# Altium PCB GenPulseBox.PcbDoc (part 2 of 3)
Units mm, origin at the board's own origin, x right, y up, seen from the top; angles counter-clockwise.
Board outline 140 x 74.6 mm, 4 copper layers (Top Layer, Mid-Layer 1, Mid-Layer 2, Bottom Layer), stack 1.572 mm thick; 214 components, 189 nets, 883 pads, 234 vias.
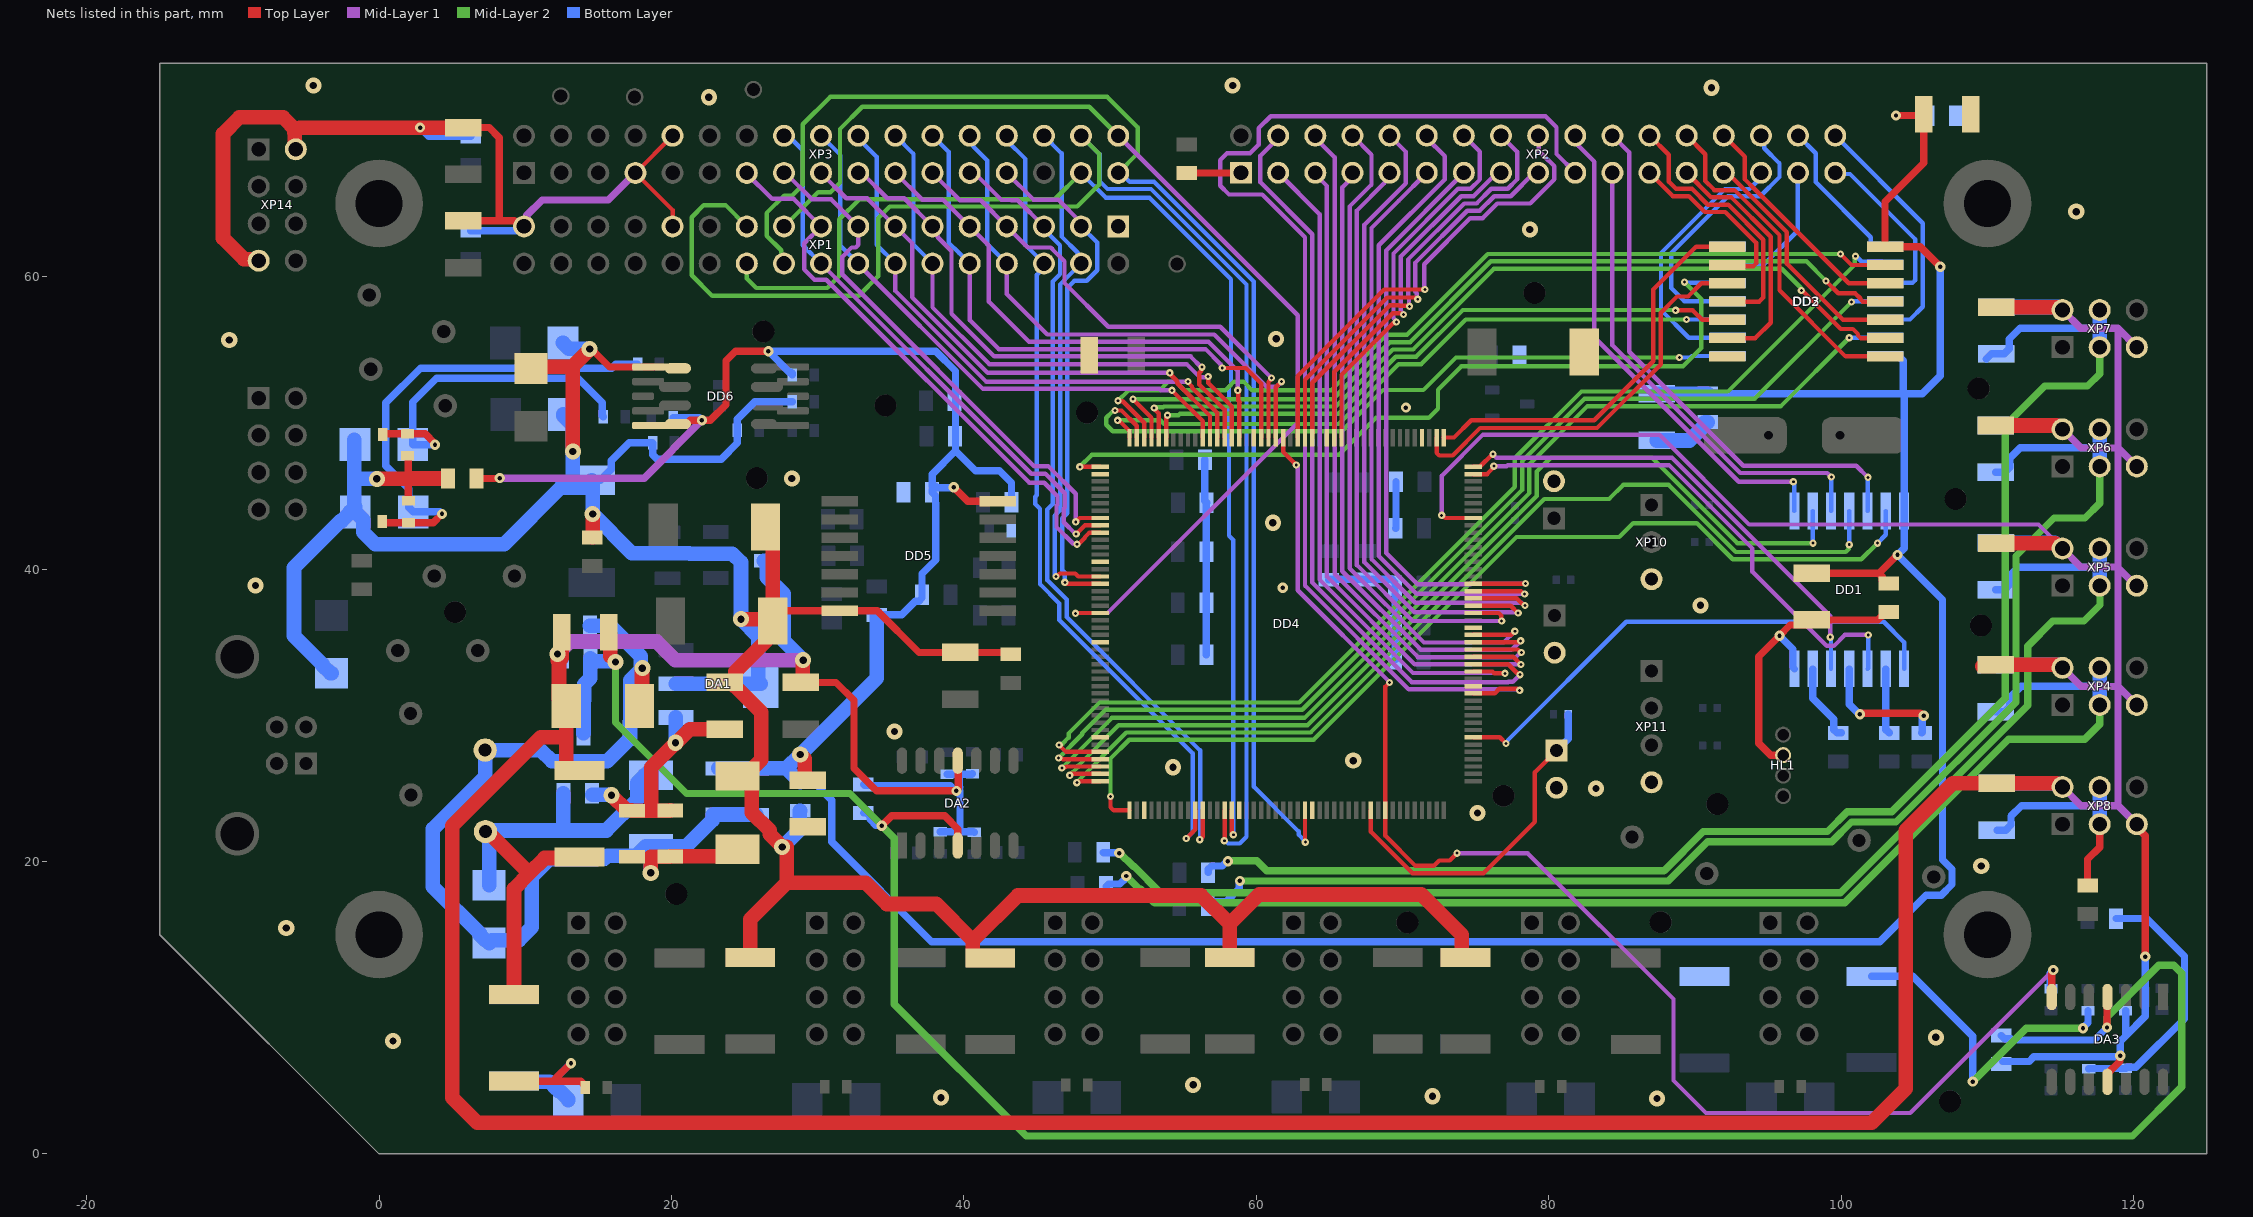
[diagram p4: the nets of this part, all layers, seen from the top]

## Via types
v1: diameter 0.5, hole 0.2, Top Layer to Bottom Layer, tented both sides, 100 vias
v2: diameter 0.7, hole 0.3, Top Layer to Bottom Layer, tented both sides, 83 vias
v3: diameter 1.1, hole 0.5, Top Layer to Bottom Layer, tented both sides, 51 vias

## Nets (pads, with @x,y where several pads share a name; then routed paths per layer and width w, separated by ;. In a path a pad name is that pad's centre, name@x,y a point inside that pad or via, vN(x,y) a via of type N, cw(c..) or ccw(c..) an arc to the next point about the centre after c; other vN are vias at no path point) (continued)
+5V_A: C36.2 C38.2 C60.2 C61.2 DA2.4 DA3.4 L4.2 R14.2 | length 173.6
  Top Layer w0.5: v2(34.375,22.45) 35.05,23.125 38.675,23.125 39.575,22.225 DA2.4@39.575,21.096 ; v2(118.175,8.65) 118.175,10.705 DA3.4@118.205,10.735
  Top Layer w1: C36.2@15.7,35.675 15.8,35.575 v3@15.8,34.039
  Mid-Layer 2 w0.5: v3(16.168,33.643) 16.168,29.506 21.025,24.65 32.2,24.65 v2@34.388,22.463 ; v2(34.375,22.45) 35.225,21.6 35.225,10.25 44.25,1.225 119.925,1.225 123.3,4.6 123.3,12.35 122.75,12.9 121.725,12.9 118.175,9.35 v2(118.175,8.65)
  Bottom Layer w0.5: C60.2@33.125,23.321 33.35,23.321 33.575,23.096 33.575,22.871 33.957,22.488 34.337,22.488 v2(34.375,22.45) ; C61.2@110.95,8.1 111.175,7.875 111.618,7.875 111.693,7.8 117.325,7.8 v2(118.175,8.65)
  Bottom Layer w1: L4.2@13.975,28.796 13.975,31 14.025,31.05 R14.2@14.025,31.4 14.025,32.125 14.45,32.55 C38.2@14.45,33.725 ; C38.2@14.45,33.9 C38.2@14.45,33.725 ; v3(16.168,33.643) 16.141,33.643 16.085,33.7 14.475,33.7 C38.2@14.45,33.725
+5V_D: C7.2 C8.1 C12.2 C24.2 C25.2 C26.1 C33.2 C34.1 C58.2 C59.2 DD1.14 DD2.14 DD3.14 DD5.14 DD6.8 L2.2 R4.2 R18.1 R22.2 R23.2 R24.2 R25.2 R26.2 R34.1 | length 277.8
  Top Layer w0.5: C58.2@6.65,46.2 8.225,46.2 v2(8.25,46.225) ; DD6.8@18.8,49.825 20.925,49.825 21.275,50.175 v2(22.075,50.175) 22.65,50.175 23.725,51.25 23.725,54.25 24.375,54.9 v2(26.625,54.9) ; v2(39.3,45.6) 39.309,45.6 40.259,44.65 DD5.14@42.3,44.65 ; C7.2@97.975,39.725 102.673,39.725 ; C8.1@103.25,39.025 103.025,39.025 102.8,39.25 102.8,39.475 102.673,39.602 102.673,39.798 v2(103.85,40.975) ; v2(103.75,71.025) 105.575,71.025 C25.2@105.65,71.1 105.65,67.775 103,65.125 DD2.14@103,62.05 105.4,62.05 v2(106.775,60.675)
  Top Layer w1: v3(28.804,27.321) 28.804,27.296 28.829,27.296 29.107,27.018 29.107,25.675 29.207,25.575 C12.2@29.325,25.575 29.4,25.575 C12.2@29.5,25.675
  Mid-Layer 1 w0.5: v2(8.25,46.225) 18.125,46.225 v2(22.075,50.175)
  Bottom Layer w0.5: R18.1@20.116,50.35 21.9,50.35 v2(22.075,50.175) ; R34.1@28.246,53.275 28.246,53.4 28.171,53.475 28.046,53.475 26.625,54.896 v2(26.625,54.9) 38.075,54.9 39.422,53.553 39.422,48.097 ; C24.2@28.8,25.425 28.955,25.27 29.88,25.27 30.95,24.2 30.95,21.35 37.775,14.525 102.625,14.525 105.8,17.7 106.843,17.7 107.575,18.432 107.575,19.468 106.925,20.118 106.925,37.9 v2(103.85,40.975) 104.3,41.425 DD1.14@104.3,43.975 104.3,51.875 104.175,52 ; R23.2@34.025,36.875 35.75,36.875 36.675,37.8 36.9,37.8 37.125,38.025 37.125,39.675 38.075,40.625 38.075,44.507 38.05,44.532 38.05,45.025 C59.2@37.825,45.25 ; C59.2@37.825,45.437 38.05,45.662 38.05,45.562 39.262,45.562 v2(39.3,45.6) ; C59.2@37.825,45.662 37.825,46.5 39.422,48.097 ; R25.2@43.25,44.575 43.25,45.9 42.425,46.725 40.794,46.725 39.422,48.097 ; C34.1@90.875,52 104.175,52 ; DD3.14@103.025,54.575 103.925,54.575 104.25,54.25 104.25,52 ; v2(103.75,71.025) C26.1@105.9,71.025 ; v2(106.775,60.675) 106.775,53.225 105.55,52 104.175,52
  Bottom Layer w1: R4.2@23.2,26.371 27.854,26.371 ; C24.2@28.8,25.425 27.854,26.371 ; R23.2@34.025,36.875 34.025,32.541 v3(28.804,27.321) 27.854,26.371 ; C33.2@87.375,52 C34.1@90.875,52
+5V_I: C5.2 C6.2 C9.2 C10.2 C30.2 C32.2 FU4.1 L1.1 L2.1 L4.1 R3.1 R4.1 R14.1 VD3.KA2 | length 73.6
  Top Layer w1: C30.2@17.8,30.65 17.981,30.831 17.981,33.206 v3(18.001,33.226) ; v3(18.575,19.225) 18.585,19.235 18.585,20.325 19.875,20.325 R3.1@19.9,20.35 24.009,20.35 C5.2@24.504,20.846
  Bottom Layer w1: C32.2@14.425,36.125 15.825,36.125 17.9,34.05 v3@17.9,33.125 ; v3(18.001,33.226) 17.175,32.4 R14.1@17.175,31.4 17.175,28.421 15.604,26.85 11.825,26.85 11.05,27.625 FU4.1@7.25,27.625 7.25,25.8 3.675,22.225 3.675,18.275 6.9,15.05 6.9,14.975 7.25,14.625 7.325,14.625 VD3.KA2@7.525,14.425 7.714,14.614 9.564,14.614 10.45,15.5 10.45,18.95 11.675,20.175 C10.2@12.675,20.175 C9.2@14.879,20.175 14.904,20.2 15.407,20.2 15.607,20.4 17.01,20.4 17.596,20.4 C6.2@18.226,21.031 ; v3(18.575,19.225) 18.585,19.235 18.585,20.672 C6.2@18.226,21.031 ; L2.1@25.804,23.196 25.779,23.221 R4.1@23.2,23.221 22.85,23.221 22.825,23.196 22.825,22.846 21.01,21.031 C6.2@18.226,21.031
BOOT0: DD4.166 R7.1 XP12.1 | length 23.6
  Top Layer w0.3: DD4.166@67.825,23.5 67.825,22.05 70.675,19.2 75.532,19.2 79.05,22.718 79.05,26.103 XP12.1@80.535,27.588
  Bottom Layer w0.5: XP12.1@80.535,27.588 81.325,28.378 R7.1@81.325,30.075
BTN_CALIBR_TP: DD4.13 XP2.19 | length 82.7
  Top Layer w0.3: DD4.13@74.825,31.5 76.301,31.5 76.615,31.814 77.845,31.814 77.953,31.706 v1(78.007,31.706)
  Mid-Layer 1 w0.3: v1(78.007,31.706) 77.969,31.744 77.829,31.744 77.785,31.788 77.428,31.788 77.416,31.776 70.424,31.776 63.325,38.875 63.325,62.7 60.4,65.625 58.125,65.625 57.524,66.226 57.524,67.974 57.987,68.437 59.562,68.437 60.163,69.038 60.163,70.163 60.975,70.975 79.775,70.975 80.525,70.225 80.525,68.395 XP2.19@81.81,67.11
BTN_CH1(1)_ON: DD4.26 XP2.11 | length 43.5
  Top Layer w0.3: DD4.26@74.825,38 77.8,38 78.182,37.618 78.217,37.618 78.317,37.518 v1(78.371,37.518)
  Mid-Layer 1 w0.3: XP2.11@71.65,67.11 69.727,65.187 67.875,63.335 67.875,40.689 70.86,37.704 78.131,37.704 78.317,37.518 v1(78.371,37.518)
BTN_CH1(1)_REV: DD4.27 XP2.12 | length 45.8
  Top Layer w0.3: DD4.27@74.825,38.5 78.094,38.5 78.291,38.304 v1(78.345,38.304)
  Mid-Layer 1 w0.3: XP2.12@71.65,69.65 71.65,69.475 72.875,68.25 72.875,66.65 68.375,62.15 68.375,40.896 70.967,38.304 v1(78.345,38.304)
BTN_CH1(2)_ON: DD4.28 XP2.13 | length 42.2
  Top Layer w0.3: DD4.28@74.825,39 78.384,39 v1(78.4,39.016)
  Mid-Layer 1 w0.3: XP2.13@74.19,67.11 68.875,61.795 68.875,41.103 71.003,38.975 74.654,38.975 74.695,39.016 v1(78.4,39.016)
BTN_CH1(2)_REV: DD4.59 XP2.14 | length 25.8
  Top Layer w0.3: DD4.59@65.825,49 65.825,53.3 69.341,56.816 69.429,56.816 69.521,56.907 v1(69.575,56.907)
  Mid-Layer 1 w0.3: v1(69.575,56.907) 69.575,56.962 69.375,57.161 69.375,61.588 73.797,66.01 74.646,66.01 75.29,66.654 75.29,68.55 XP2.14@74.19,69.65
BTN_CH2(1)_ON: DD4.60 XP2.15 | length 24.2
  Top Layer w0.3: DD4.60@65.325,49 65.325,53.507 69.325,57.507 69.823,57.507 69.883,57.448 70.024,57.448 v1(70.063,57.409)
  Mid-Layer 1 w0.3: v1(70.063,57.409) 70.063,57.463 69.875,57.651 69.875,61.381 74.004,65.51 74.853,65.51 76.453,67.11 XP2.15@76.73,67.11
BTN_CH2(1)_REV: DD4.63 XP2.16 | length 29
  Top Layer w0.3: DD4.63@63.825,49 63.825,52.75 69.115,58.04 69.735,58.04 69.766,58.009 70.441,58.009 v1(70.475,57.975)
  Mid-Layer 1 w0.3: v1(70.475,57.975) 70.437,58.013 70.437,58.515 70.375,58.576 70.375,61.174 74.211,65.01 75.06,65.01 76.06,66.01 77.186,66.01 77.83,66.654 77.83,68.55 XP2.16@76.73,69.65
BTN_CH2(2)_ON: DD4.64 XP2.17 | length 27.6
  Top Layer w0.3: DD4.64@63.325,49 63.325,52.957 68.943,58.575 70.865,58.575 70.983,58.458 v1(71.037,58.458)
  Mid-Layer 1 w0.3: v1(71.037,58.458) 71.037,58.512 70.975,58.573 70.975,58.879 70.875,58.979 70.875,60.967 74.418,64.51 75.267,64.51 76.267,65.51 77.393,65.51 78.993,67.11 XP2.17@79.27,67.11
BTN_CH2(2)_REV: DD4.65 XP2.18 | length 31.9
  Top Layer w0.3: DD4.65@62.825,49 62.825,53.205 68.745,59.125 v1(71.525,59.125)
  Mid-Layer 1 w0.3: v1(71.525,59.125) 71.487,59.163 71.487,59.305 71.475,59.316 71.475,60.859 74.626,64.01 75.474,64.01 76.474,65.01 78.726,65.01 80.37,66.654 80.37,67.566 79.726,68.21 79.715,68.21 79.299,68.626 79.299,69.621 XP2.18@79.27,69.65
BTN_PAGE_DOWN: DD4.25 XP2.10 | length 46.1
  Top Layer w0.3: DD4.25@74.825,37.5 77.4,37.5 v1(77.9,37)
  Mid-Layer 1 w0.3: XP2.10@69.11,69.65 70.225,68.535 70.225,66.392 67.375,63.542 67.375,40.482 70.807,37.05 77.711,37.05 77.723,37.038 77.862,37.038 v1(77.9,37)
BTN_PAGE_UP: DD4.16 XP2.3 | length 46.6
  Top Layer w0.3: DD4.16@74.825,33 76.15,33 76.274,32.876 v1(77,32.876)
  Mid-Layer 1 w0.3: XP2.3@61.49,67.11 64.325,64.275 64.325,39.289 70.714,32.9 76.976,32.9 v1(77,32.876)
BTN_PROG1: DD4.17 XP2.4 | length 53.3
  Top Layer w0.3: DD4.17@74.825,33.5 77.225,33.5 77.843,32.882 77.883,32.882 77.981,32.784 v1(78.035,32.784)
  Mid-Layer 1 w0.3: XP2.4@61.49,69.65 61.49,69.49 60.275,68.275 60.275,66.457 63.825,62.907 63.825,39.082 70.631,32.276 77.209,32.276 77.221,32.288 77.539,32.288 v1(78.035,32.784)
BTN_PROG2: DD4.18 XP2.5 | length 47.5
  Top Layer w0.3: XP2.5@64.03,66.785 XP2.5@64.03,67.11 ; DD4.18@74.825,34 77.574,34 v1(78.091,33.482)
  Mid-Layer 1 w0.3: XP2.5@64.03,67.11 64.03,67.003 64.825,66.208 64.825,39.496 70.839,33.482 v1(78.091,33.482)
BTN_PROG3: DD4.19 XP2.6 | length 49.2
  Top Layer w0.3: DD4.19@74.825,34.5 77.868,34.5 78.07,34.297 v1(78.125,34.297)
  Mid-Layer 1 w0.3: XP2.6@64.03,69.65 64.03,69.484 65.347,68.167 65.347,39.681 71.046,33.982 77.755,33.982 78.07,34.297 v1(78.125,34.297)
BTN_PROG4: DD4.20 XP2.7 | length 45.5
  Top Layer w0.3: DD4.20@74.825,35 77.979,35 v1(78.077,35.098)
  Mid-Layer 1 w0.3: XP2.7@66.57,67.11 66.57,66.803 65.875,66.108 65.875,39.861 71.253,34.482 77.461,34.482 v1(78.077,35.098)
BTN_PROG5: DD4.21 XP2.8 | length 47.4
  Top Layer w0.3: DD4.21@74.825,35.5 77.425,35.5 v1(77.675,35.75)
  Mid-Layer 1 w0.3: XP2.8@66.57,69.65 67.875,68.345 67.875,66.3 66.375,64.8 66.375,40.068 71.46,34.982 76.907,34.982 v1(77.675,35.75)
BTN_PROG6: DD4.24 XP2.9 | length 41.6
  Top Layer w0.3: DD4.24@74.825,37 76.58,37 76.756,36.824 76.756,36.466 v1(76.772,36.45)
  Mid-Layer 1 w0.3: XP2.9@69.11,67.11 69.11,66.785 68.736,66.412 68.736,66.386 66.875,64.525 66.875,40.275 70.696,36.453 76.768,36.453 v1(76.772,36.45)
GND: C1.1 C2.1 C3.1 C4.1 C5.1 C6.1 C7.1 C8.2 C9.1 C10.1 C11.1 C12.1 C23.1 C24.1 C25.1 C26.2 C27.1 C28.1 C29.1 C31.1 C33.1 C34.2 C39.1 C40.1 C41.1 C42.1 C43.1 C44.1 C45.1 C46.1 C47.1 C48.1 C49.1 C50.1 C51.1 C52.1 C53.1 C54.1 C55.1 C56.1 C57.1 C58.1 C59.1 DA1.2 DA1.4 DD1.7 DD2.7 DD3.7 DD4.14 DD4.22 DD4.48 DD4.61 DD4.71 DD4.90 DD4.102 DD4.113 DD4.126 DD4.135 DD4.148 DD4.158 DD5.7 DD6.5 FU2.1 HL1.3 R2.1 R13.1 R27.2 R40.2 R41.2 R42.2 R43.1 R49.1 R51.1 R61.1 R63.1 R65.1 R67.1 R69.1 R71.1 VD1.KA1 VD2.KA1 VD3.KA1 VD4.KA1 VD5.KA1 VD6.KA1 VD7.KA1 XP1.1 XP1.25 XP1.33 XP2.1 XP3.7 XP3.10 XP9.2 XP10.3 XP11.4 XP12.2 XP13.2 XP14.2 XP14.7 | length 412.1
  Top Layer w0.3: XP1.25@20.07,63.44 20.07,64.56 XP3.7@17.53,67.1 XP3.10@20.07,69.64
  Top Layer w0.5: C55.1@1.95,47.75 2,47.7 2,46.2 ; 1.988,46.2 2,46.188 2,46.175 C54.1@2,44.675 ; C3.1@5.75,63.825 8.225,63.825 ; C1.1@5.75,70.2 7.525,70.2 8.225,69.5 8.225,63.825 ; XP1.33@9.91,63.44 9.639,63.44 9.254,63.825 8.225,63.825 ; v3(14.4,55.05) 14.525,55.05 15.75,53.825 DD6.5@18.8,53.825 ; C27.1@26.925,36.45 27.625,37.15 DD5.7@31.5,37.15 34.075,37.15 36.925,34.3 C53.1@39.75,34.3 43.075,34.3 R2.1@43.2,34.175 ; C45.1@55.25,67.1 58.94,67.1 XP2.1@58.95,67.11 ; v2(70.225,51.05) v2@70.25,51.025 ; HL1.3@96.025,27.275 95.175,27.275 94.35,28.1 94.35,34.025 v2(95.775,35.45) 96.5,36.175 97.625,36.175 C7.1@97.975,36.525 102.507,36.525 102.8,36.818 102.8,36.85 103.025,37.075 C8.2@103.25,37.075
  Top Layer w1: XP14.7@-8.24,61.095 -8.336,61.191 -9.241,61.191 -10.675,62.625 -10.675,69.775 -9.55,70.9 -6.575,70.9 -5.658,69.983 ; XP14.2@-5.7,68.715 -5.774,68.789 -5.774,69.824 -5.796,69.846 -5.441,70.2 v2(2.8,70.2) C1.1@5.75,70.2 ; v3(-0.155,46.175) 2,46.175 ; 1.988,46.2 2,46.2 C58.1@4.7,46.2 ; FU2.1@7.275,22.05 7.414,22.05 10.27,19.195 ; R61.1@9.225,10.9 9.225,18.15 10.27,19.195 ; VD1.KA1@10.4,53.725 10.525,53.85 13.2,53.85 ; v3(13.25,48.05) 13.25,53.8 13.2,53.85 ; R13.1@13.7,20.325 13.614,20.239 11.314,20.239 10.27,19.195 ; v3(14.4,55.05) 13.2,53.85 ; C31.1@14.579,42.175 14.6,42.196 v3(14.6,43.775) ; C11.1@23.625,32.25 C11.1@24.275,32.25 ; v3(24.75,36.583) 24.758,36.575 26.8,36.575 C27.1@26.925,36.45 C27.1@26.425,35.95 ; R63.1@25.375,13.425 25.375,16.05 27.875,18.55 ; C27.1@26.425,36.45 26.425,35.05 24.375,33 24.375,32.35 C11.1@24.275,32.25 ; C29.1@26.425,42.879 26.925,42.379 C27.1@26.925,36.575 ; v3(27.566,20.991) 27.566,21.018 26.704,21.881 26.704,22.136 25.494,23.346 25.494,25.356 25.004,25.846 26.125,26.966 26.125,30.2 24.375,31.95 24.375,32.15 C11.1@24.275,32.25 ; v3@27.875,20.991 27.875,18.55 ; R65.1@41.8,13.4 40.75,13.4 40.6,13.55 40.6,14.6 ; R67.1@58.175,13.425 58.175,15.739 ; R69.1@74.3,13.425 74.186,13.425 74.036,13.575 74.036,14.989 71.275,17.75 60.186,17.75 58.175,15.739 ; 27.875,18.55 33.275,18.55 34.725,17.1 38.1,17.1 40.6,14.6 ; 40.6,14.6 43.675,17.675 56.239,17.675 58.175,15.739
  Mid-Layer 1 w0.5: XP1.33@9.91,63.44 10.101,63.631 10.101,64.201 11.15,65.25 15.68,65.25 XP3.7@17.53,67.1
  Bottom Layer w0.5: v2(2.8,70.2) 3.4,69.6 C2.1@6.275,69.6 ; C4.1@6.275,63.15 9.349,63.15 9.639,63.44 XP1.33@9.91,63.44 ; C28.1@14.546,46.083 15.126,46.083 15.876,46.833 15.876,47.413 17.109,48.646 R27.2@18.7,48.646 18.72,48.626 18.72,47.83 19.025,47.525 23.4,47.525 24.496,48.621 R51.1@24.496,49.5 24.5,49.504 24.5,50.25 25.7,51.45 R49.1@28.271,51.45 ; C44.1@56.475,47.475 56.475,44.675 C49.1@56.6,44.55 56.575,44.525 C48.1@56.575,41.175 C46.1@56.575,34.15 ; C50.1@64.95,39.275 64.975,39.3 C51.1@67.475,39.3 69.25,39.3 69.475,39.075 C39.1@69.475,38.85 69.475,36.2 C42.1@69.5,36.175 69.5,33.85 C41.1@69.525,33.825 ; C40.1@69.525,42.8 69.55,42.825 C43.1@69.55,45.975 ; v2(95.775,35.45) 96.7,34.525 96.7,33.275 DD1.7@96.8,33.175 ; R40.2@116.925,5.825 116.95,5.85 R41.2@119.45,5.85 119.525,5.925 120.15,5.925 123.475,9.25 123.475,13.525 120.9,16.1 R43.1@118.8,16.1
  Bottom Layer w1: VD2.KA1@-3.25,32.875 -3.325,32.875 -3.875,33.425 -3.875,33.5 -5.825,35.45 -5.825,40.096 -2.625,43.296 -2.55,43.296 -2,43.846 VD6.KA1@-2,43.921 ; VD7.KA1@-1.7,48.85 -1.7,46.175 ; VD6.KA1@-1.65,44.271 -1.7,44.321 -1.7,46.175 ; VD6.KA1@-1.625,43.921 -1.075,43.371 -1.075,42.525 -0.25,41.7 8.55,41.7 12.433,45.583 C28.1@13.25,45.583 ; v3(-0.155,46.175) -1.7,46.175 ; VD3.KA1@7.525,18.375 7.525,21.638 7.275,21.888 FU2.1@7.275,22.05 7.35,22.125 C10.1@12.625,22.125 ; VD4.KA1@12.575,55.475 12.981,55.069 14.381,55.069 v3(14.4,55.05) ; C23.1@12.6,24.675 12.6,22.15 C10.1@12.625,22.125 ; VD5.KA1@12.6,50.575 12.6,50.5 13.25,49.85 v3(13.25,48.05) C28.1@13.25,45.583 ; C6.1@18.4,26.096 C6.1@18.596,25.9 18.15,25.9 17.65,25.4 17.65,24.225 15.55,22.125 C9.1@14.879,22.125 C10.1@12.675,22.125 C10.1@12.625,22.125 ; DA1.2@20.3,32.15 DA1.4@26.1,32.15 25.919,32.331 25.919,35.387 24.75,36.556 24.75,40.464 24.164,41.05 21.25,41.05 21.206,41.094 17.281,41.094 v3(14.6,43.775) 14.6,46.029 C28.1@14.546,46.083 14.046,45.583 C28.1@13.25,45.583 ; v3(27.566,20.991) 28.759,22.184 28.759,23.45 28.784,23.475 C24.1@28.8,23.475 ; C33.1@87.375,48.8 89.625,48.8 90.675,49.85 90.675,50.025 90.7,50.05 C34.2@90.875,50.05
  other v2: 61.8,38.725
  other v3: 87.4,3.8 38.425,3.85 72.05,3.95 55.675,4.725 0.95,7.725 106.475,7.975 -6.35,15.45 109.575,19.7 75.125,23.325 83.225,25 54.301,26.45 66.625,26.9 35.25,28.9 90.375,37.525 -8.45,38.875 61.125,43.175 28.225,46.2 -10.25,55.675 61.35,55.75 78.7,63.225 116.075,64.45 22.55,72.275 91.125,72.925 -4.5,73.075 58.375,73.075
GNDA: C13.1 C14.1 C15.1 C16.1 C17.1 C18.1 C19.1 C20.1 C21.1 C22.1 C30.1 C32.1 C35.1 C36.1 C37.1 C38.1 C60.1 C61.1 DA2.11 DA3.11 DD4.37 R13.2 R44.1 R45.1 R46.1 R47.1 R48.1 XP4.2 XP4.5 XP5.2 XP5.5 XP6.2 XP6.5 XP7.2 XP7.5 XP8.2 XP8.5 | length 419.3
  Top Layer w0.3: v1(72.675,43.675) 72.729,43.675 72.904,43.5 DD4.37@74.825,43.5
  Top Layer w0.5: C35.1@28.85,32.25 28.9,32.25 31.25,32.25 32.475,31.025 32.475,26.375 34.016,24.834 v2(39.484,24.834) 39.484,24.888 39.617,25.021 39.617,26.162 39.613,26.166 39.613,26.857 DA2.11@39.575,26.896 ; DA3.11@118.205,4.935 118.27,5 118.27,5.55 119.043,6.323 119.043,6.687 v2(119.081,6.725) ; XP8.5@120.215,22.555 120.215,22.347 120.8,21.762 v2(120.8,13.5)
  Top Layer w1: v3(12.2,34.2) 12.219,34.181 12.219,33.725 12.3,33.644 12.3,31.15 C30.1@12.8,30.65 12.8,28.513 ; v3@12.5,33.925 C36.1@12.5,35.675 ; R13.2@13.7,26.225 12.95,26.225 12.8,26.375 12.8,28.513 ; C35.1@28.9,32.25 28.981,32.331 28.981,33.756 v3(29,33.775) ; C13.1@109.65,33.35 110.475,33.35 C13.1@110.575,33.45 114.801,33.45 115,33.251 XP4.2@115.135,33.251 ; C17.1@110.575,49.825 114.738,49.825 115,49.564 XP6.2@115.135,49.564 ; C15.1@110.6,41.775 114.632,41.775 115,41.407 XP5.2@115.135,41.407 ; C19.1@110.6,57.9 114.82,57.9 115,57.72 XP7.2@115.135,57.72 ; XP8.2@115.135,25.095 115,25.095 114.745,25.35 C21.1@110.65,25.35 107.625,25.35 104.425,22.15 104.425,4.475 102.075,2.125 6.725,2.125 5,3.85 5,22.45 11.063,28.513 12.8,28.513
  Mid-Layer 1 w0.3: v1(72.675,43.675) 72.675,46.375 75.5,49.2 87.55,49.2 93.7,43.05 113.492,43.05 XP5.2@115.135,41.407
  Mid-Layer 1 w0.5: XP8.2@115.135,25.095 116.405,23.825 118.945,23.825 ; XP4.2@115.135,33.251 116.411,31.975 118.925,31.975 ; XP5.2@115.135,41.407 116.392,40.15 118.875,40.15 118.925,40.1 ; XP6.2@115.135,49.564 116.41,48.289 118.925,48.289 ; XP7.2@115.135,57.72 116.385,56.47 118.925,56.47 ; XP8.5@120.215,22.555 118.945,23.825 ; XP4.5@120.215,30.711 118.951,31.975 118.925,31.975 ; XP5.5@120.215,38.867 120.158,38.867 118.925,40.1 ; XP6.5@120.215,47.024 118.95,48.289 118.925,48.289 ; XP7.5@120.215,55.18 118.925,56.47 ; 118.925,31.975 118.925,40.1 ; 118.925,31.975 118.925,23.845 118.945,23.825 ; 118.925,40.1 118.925,48.289 ; 118.925,48.289 118.925,56.47
  Mid-Layer 1 w1: v3(12.2,34.2) 13.05,35.05 18.975,35.05 20.25,33.775 v3(29,33.775)
  Bottom Layer w0.5: C60.1@33.125,25.271 33.197,25.199 39.066,25.199 39.43,24.834 v2(39.484,24.834) ; R44.1@38.375,22.046 39.75,22.046 ; R47.1@38.85,25.975 39.7,25.975 ; v2@39.725,24.834 39.725,22.071 39.75,22.046 ; v2@39.725,25.075 39.7,25.1 39.7,25.975 ; R46.1@40.575,26 40.55,25.975 39.7,25.975 ; R45.1@40.7,21.996 40.65,22.046 39.75,22.046 ; C61.1@111.025,6.325 112.85,6.325 113.175,6.65 118.865,6.65 118.902,6.687 119.043,6.687 v2(119.081,6.725) 119.075,6.731 119.075,7.7 119.45,8.075 ; R48.1@119.45,9.8 119.45,8.075 ; v2(120.8,13.5) 120.8,9.425 119.45,8.075
  Bottom Layer w1: C38.1@12.487,34.1 C32.1@12.487,35.925 ; C37.1@26.325,40.575 26.525,40.375 26.525,39.45 27.675,38.3 27.675,35.1 v3(29,33.775) ; C14.1@110.575,33.45 114.801,33.45 115,33.251 XP4.2@115.135,33.251 ; C16.1@110.575,41.8 114.607,41.8 115,41.407 XP5.2@115.135,41.407 ; C18.1@110.575,49.825 114.738,49.825 115,49.564 XP6.2@115.135,49.564 ; C20.1@110.6,57.925 114.795,57.925 115,57.72 XP7.2@115.135,57.72 ; C22.1@110.65,25.35 114.745,25.35 115,25.095 XP8.2@115.135,25.095
IN_SYNC: R28.2 R70.1 | length 22.1
  Mid-Layer 2 w0.5: v2(109,4.95) 112.65,8.6 v2(116.538,8.6)
  Bottom Layer w0.5: R70.1@102.075,12.15 104.9,12.15 109,8.05 v2(109,4.95) ; v2(116.538,8.6) 116.538,8.648 116.875,8.985 R28.2@116.875,9.8
IN_SYNC_MCU: DA3.7 DD4.67 DD4.168 R57.1 | length 95.2
  Top Layer w0.3: DD4.67@61.825,49 61.825,48.025 v1(62.725,47.125) ; v1(69.101,32.25) 68.825,31.974 DD4.168@68.825,23.5 68.825,21.757 70.882,19.7 72.135,19.7 72.51,20.075 73.225,20.075 v1(73.725,20.575)
  Top Layer w0.5: DA3.7@114.395,10.735 114.395,12.47 v2(114.5,12.575)
  Mid-Layer 1 w0.3: v1(62.725,47.125) 62.725,47.071 62.825,46.971 62.825,38.55 69.101,32.274 v1(69.101,32.25) ; v1(73.725,20.575) 78.55,20.575 88.525,10.6 88.525,5.025 90.75,2.8 104.725,2.8 v2(114.5,12.575)
  Bottom Layer w0.5: R57.1@114.35,11.3 114.275,11.375 114.275,12.35 v2(114.5,12.575)
LCD_CS: DD4.157 XP1.20 XP3.33 | length 93.9
  Top Layer w0.3: DD4.157@63.325,23.5 63.325,21.35 v1(63.35,21.325)
  Mid-Layer 2 w0.3: XP1.20@27.69,60.9 27.496,61.094 27.496,61.804 26.5,62.8 26.5,64.35 27.7,65.55 28.25,65.55 28.975,66.275 28.975,70.425 30.85,72.3 49.8,72.3 51.875,70.225 51.875,68.425 XP3.33@50.55,67.1
  Bottom Layer w0.3: XP3.33@50.55,67.1 50.726,67.1 51.326,66.5 53,66.5 59.825,59.675 59.825,25.125 62.886,22.064 62.886,21.843 63.35,21.379 v1(63.35,21.325)
LCD_D0: DD4.104 XP1.4 XP3.30 | length 35.2
  Top Layer w0.3: v1(46.3,39.5) 46.354,39.5 46.554,39.7 47.615,39.7 47.815,39.5 DD4.104@49.325,39.5
  Bottom Layer w0.3: XP3.30@45.47,69.64 46.675,68.435 46.675,62.75 47.78,61.645 47.78,61.13 XP1.4@48.01,60.9 46.575,59.465 46.575,44.025 46.2,43.65 46.2,39.6 v1(46.3,39.5)
LCD_D1: DD4.105 XP1.3 XP3.27 | length 35.6
  Top Layer w0.3: v1(46.9,39.1) 47,39 DD4.105@49.325,39
  Mid-Layer 1 w0.3: XP3.27@42.93,67.1 44.755,65.275 46.45,65.275 48.01,63.715 XP1.3@48.01,63.44
  Bottom Layer w0.3: v1(46.9,39.1) 46.9,39.749 46.725,39.924 46.725,43.468 47.075,43.818 47.075,59.25 47.555,59.73 48.395,59.73 49.11,60.444 49.11,62.34 XP1.3@48.01,63.44
LCD_D2: DD4.142 XP1.6 XP3.28 | length 56.2
  Top Layer w0.3: v1(55.201,21.576) 55.825,22.2 DD4.142@55.825,23.5
  Bottom Layer w0.3: XP3.28@42.93,69.64 42.93,69.32 44.2,68.05 44.2,62.17 XP1.6@45.47,60.9 45.47,60.619 44.975,60.124 44.975,45.049 44.875,44.949 44.875,44.451 45.2,44.126 45.2,38.975 46.525,37.65 46.525,36.519 55.65,27.394 55.65,22.025 v1(55.201,21.576)
LCD_D3: DD4.143 XP1.5 XP3.25 | length 55.8
  Top Layer w0.3: v1(56.125,21.5) 56.325,21.7 DD4.143@56.325,23.5
  Mid-Layer 1 w0.3: XP3.25@40.39,67.1 40.715,67.1 42.565,65.25 43.224,65.25 43.236,65.238 43.672,65.238 XP1.5@45.47,63.44
  Bottom Layer w0.3: XP1.5@45.47,63.44 45.47,63.248 46.57,62.148 46.57,60.167 46.075,59.672 46.075,44.451 45.7,44.076 45.7,39.251 47.025,37.926 47.025,36.726 56.15,27.601 56.15,21.525 v1(56.125,21.5)
LCD_D4: DD4.68 XP1.8 XP3.26 | length 37.4
  Top Layer w0.3: DD4.68@61.325,49 61.325,52.432 v1(61.718,52.825)
  Mid-Layer 1 w0.3: XP1.8@42.93,60.9 42.93,58.82 45.7,56.05 57.125,56.05 60.7,52.475 61.374,52.475 61.718,52.819 v1(61.718,52.825)
  Bottom Layer w0.3: XP3.26@40.39,69.64 40.62,69.41 40.62,68.93 41.6,67.95 41.6,62.23 XP1.8@42.93,60.9
LCD_D5: DD4.69 XP1.7 XP3.23 | length 34
  Top Layer w0.3: DD4.69@60.825,49 60.825,52.809 61.037,53.021 v1(61.037,53.075)
  Mid-Layer 1 w0.3: XP3.23@37.85,67.1 39.725,65.225 41.145,65.225 XP1.7@42.93,63.44 44.37,62 45.926,62 46.025,61.901 46.875,61.051 46.875,59.575 49.875,56.575 57.537,56.575 v1(61.037,53.075)
LCD_D6: DD4.70 XP1.10 XP3.24 | length 39.2
  Top Layer w0.3: v1(57.665,53.76) 59.265,53.76 60.325,52.7 DD4.70@60.325,49
  Mid-Layer 1 w0.3: XP1.10@40.39,60.9 40.39,57.035 42.375,55.05 56.516,55.05 57.565,54.002 57.565,53.914 57.665,53.814 v1(57.665,53.76)
  Bottom Layer w0.3: XP3.24@37.85,69.64 38.95,68.54 38.95,62.34 39.638,61.652 XP1.10@40.39,60.9
LCD_D7: DD4.73 XP1.9 XP3.21 | length 35.9
  Top Layer w0.3: v1(58.725,52.225) 58.763,52.187 58.763,51.537 58.875,51.425 58.825,51.375 DD4.73@58.825,49
  Mid-Layer 1 w0.3: XP3.21@35.31,67.1 35.325,67.1 37.15,65.275 38.555,65.275 XP1.9@40.39,63.44 41.7,62.13 41.7,58.3 44.45,55.55 56.724,55.55 58.725,53.549 v1(58.725,52.225)
LCD_D8: DD4.74 XP1.12 XP3.22 | length 38.5
  Top Layer w0.3: v1(56.7,53.175) 56.7,52.732 58.325,51.107 DD4.74@58.325,49
  Mid-Layer 1 w0.3: XP1.12@37.85,60.9 37.85,57.9 41.725,54.025 55.225,54.025 56.113,53.137 56.662,53.137 v1(56.7,53.175)
  Bottom Layer w0.3: XP3.22@35.31,69.64 36.55,68.4 36.55,62.2 XP1.12@37.85,60.9
LCD_D9: DD4.75 XP1.11 XP3.19 | length 37.4
  Top Layer w0.3: v1(56.284,53.815) 56.245,53.777 56.245,53.569 56.1,53.424 56.1,53.05 56.1,52.625 57.825,50.9 DD4.75@57.825,49
  Mid-Layer 1 w0.3: XP3.19@32.77,67.1 33.021,67.1 34.746,65.375 35.915,65.375 XP1.11@37.85,63.44 38.066,63.224 38.066,62.899 38.204,62.762 38.204,62.696 39.15,61.75 39.15,57.475 42.075,54.55 55.5,54.55 56.235,53.815 v1(56.284,53.815)
LCD_D10: DD4.76 XP1.14 XP3.20 | length 38.9
  Top Layer w0.3: v1(55.319,52.829) 55.319,52.775 55.6,52.494 55.6,52.407 57.325,50.682 DD4.76@57.325,49
  Mid-Layer 1 w0.3: XP1.14@35.31,60.9 35.31,59.026 41.511,52.825 55.315,52.825 v1(55.319,52.829)
  Bottom Layer w0.3: XP3.20@32.77,69.64 32.77,69.455 34.025,68.2 34.025,62.185 XP1.14@35.31,60.9
LCD_D11: DD4.77 XP1.13 XP3.17 | length 37.2
  Top Layer w0.3: v1(54.075,53.425) 54.075,53.371 54.589,52.857 54.589,52.711 56.825,50.475 DD4.77@56.825,49
  Mid-Layer 1 w0.3: XP3.17@30.23,67.1 31.955,65.375 33.375,65.375 XP1.13@35.31,63.44 36.45,62.3 36.45,58.593 41.618,53.425 v1(54.075,53.425)
LCD_D12: DD4.78 XP1.16 XP3.18 | length 39
  Top Layer w0.3: v1(54.226,52.225) 56.325,50.126 DD4.78@56.325,49
  Mid-Layer 1 w0.3: XP1.16@32.77,60.9 32.77,60.859 41.304,52.325 53.376,52.325 53.476,52.225 v1(54.226,52.225)
  Bottom Layer w0.3: XP3.18@30.23,69.64 31.55,68.32 31.55,62.12 XP1.16@32.77,60.9
LCD_D13: DD4.96 XP1.15 XP3.15 | length 36.4
  Top Layer w0.3: v1(47.647,43.232) 47.655,43.232 47.922,43.5 DD4.96@49.325,43.5
  Mid-Layer 1 w0.3: XP3.15@27.69,67.1 27.8,67.1 29.6,65.3 30.91,65.3 XP1.15@32.77,63.44 32.77,62.176 32.594,62 32.314,62 31.67,61.356 31.67,60.167 44.812,47.025 45.775,47.025 47.647,45.153 v1(47.647,43.232)
LCD_D14: DD4.97 XP1.18 XP3.16 | length 38.2
  Top Layer w0.3: v1(47.675,42.4) 48.275,43 DD4.97@49.325,43
  Mid-Layer 1 w0.3: XP1.18@30.23,60.9 44.605,46.525 45.568,46.525 46.9,45.193 46.9,44.214 46.829,44.143 46.829,43.201 47.63,42.4 v1(47.675,42.4)
  Bottom Layer w0.3: XP3.16@27.69,69.64 27.985,69.64 28.975,68.65 28.975,62.155 XP1.18@30.23,60.9
LCD_D15: DD4.98 XP1.17 XP3.13 | length 39.8
  Top Layer w0.3: v1(47.727,41.702) 47.765,41.74 47.864,41.74 48.275,42.151 48.275,42.195 48.58,42.5 DD4.98@49.325,42.5
  Mid-Layer 1 w0.3: XP3.13@25.15,67.1 25.15,67.05 26.875,65.325 28.345,65.325 XP1.17@30.23,63.44 29.075,62.285 29.075,60.499 29.774,59.8 30.575,59.8 44.475,45.9 45.486,45.9 46.4,44.986 46.4,44.421 46.329,44.35 46.329,42.883 47.472,41.74 47.688,41.74 v1(47.727,41.702)
LCD_RD: DD4.146 XP1.21 XP3.32 | length 104.7
  Top Layer w0.3: v1(57.812,21.425) 57.825,21.438 DD4.146@57.825,23.5
  Mid-Layer 2 w0.3: XP1.21@25.15,63.44 23.69,64.9 22.2,64.9 21.375,64.075 21.375,60.1 22.775,58.7 32.8,58.7 34.125,60.025 34.125,64 34.925,64.8 47.75,64.8 49.25,66.3 49.25,68.4 XP3.32@48.01,69.64
  Bottom Layer w0.3: XP3.32@48.01,69.64 49.275,68.375 49.275,66.542 49.817,66 52.793,66 59.325,59.468 59.325,21.701 58.856,21.232 58.059,21.232 57.866,21.425 v1(57.812,21.425)
LCD_RS: DD4.109 XP1.19 XP3.34 | length 76.3
  Top Layer w0.3: v1(47.625,36.975) 47.65,37 DD4.109@49.325,37
  Mid-Layer 1 w0.3: v1(47.625,36.975) 47.65,37 49.825,37 62.825,50 62.825,57.365 XP3.34@50.55,69.64
  Mid-Layer 2 w0.3: XP1.19@27.69,63.44 30.025,65.775 30.875,65.775 31.525,66.425 31.525,70.1 33.05,71.625 48.565,71.625 XP3.34@50.55,69.64
LCD_WR: DD4.147 XP1.22 XP3.31 | length 82.8
  Top Layer w0.3: DD4.147@58.325,23.5 58.325,21.986 58.425,21.886 v1(58.425,21.832)
  Mid-Layer 2 w0.3: XP1.22@25.15,60.9 25.15,59.875 25.8,59.225 30.65,59.225 31.475,60.05 31.475,63.925 32.85,65.3 46.21,65.3 XP3.31@48.01,67.1
  Bottom Layer w0.3: XP3.31@48.01,67.1 49.71,65.4 52.686,65.4 58.265,59.821 58.265,52.613 58.125,52.474 58.125,42.289 58.425,41.989 v1(58.425,21.832)
LED_CH1(1)_I_B: DD2.5 DD4.83 | length 43.1
  Top Layer w0.3: DD4.83@53.825,49 53.825,50.371 53.925,50.471 v1(53.925,50.525) ; v1(88.675,57.701) 88.681,57.696 89.847,57.696 90.493,57.05 DD2.5@92.2,57.05
  Mid-Layer 2 w0.3: v1(53.925,50.525) 54.675,50.525 54.775,50.625 65.629,50.625 69.529,54.525 70.925,54.525 74.126,57.726 88.65,57.726 v1(88.675,57.701)
LED_CH1(1)_I_G: DD2.3 DD4.46 | length 27.9
  Top Layer w0.3: DD4.46@72.325,49 72.325,47.951 72.501,47.775 73.425,47.775 75.3,49.65 83.3,49.65 87.65,54 87.65,57.525 88.775,58.65 89.525,58.65 90.425,59.55 DD2.3@92.2,59.55
LED_CH1(1)_I_R: DD2.1 DD4.45 | length 27.7
  Top Layer w0.3: DD4.45@72.825,49 73.512,49 74.687,50.175 83.1,50.175 87.15,54.225 87.15,59.125 90.075,62.05 DD2.1@92.2,62.05
LED_CH1(1)_O_B: DD2.6 XP2.25 | length 16.9
  Top Layer w0.3: XP2.25@89.43,67.11 91.115,65.425 92.489,65.425 95.175,62.739 95.175,56.85 94.125,55.8 DD2.6@92.2,55.8
LED_CH1(1)_O_G: DD2.4 XP2.24 | length 18.4
  Top Layer w0.3: XP2.24@86.89,69.65 88.2,68.34 88.2,66.507 88.697,66.01 89.79,66.01 90.875,64.925 92.282,64.925 94.675,62.532 94.675,58.575 94.4,58.3 DD2.4@92.2,58.3
LED_CH1(1)_O_R: DD2.2 XP2.23 | length 12.8
  Top Layer w0.3: XP2.23@86.89,67.11 88.49,65.51 89.583,65.51 90.668,64.425 92.075,64.425 94.175,62.325 94.175,60.901 93.999,60.725 92.275,60.725 DD2.2@92.2,60.8
LED_CH1(2)_I_B: DD3.5 DD4.89 | length 56
  Top Layer w0.3: v1(47.925,47) DD4.89@49.325,47
  Mid-Layer 2 w0.3: v1(47.925,47) 48.75,47.825 65.657,47.825 68.182,50.35 71.799,50.35 72.425,50.976 72.425,52.275 74.024,53.874 89.174,53.874 90.425,55.125 90.425,58.475 v1(89.275,59.625)
  Bottom Layer w0.3: v1(89.275,59.625) 89.325,59.575 DD3.5@92.225,59.575
LED_CH1(2)_I_G: DD3.3 DD4.88 | length 46.3
  Top Layer w0.3: v1(50.51,50.175) 50.549,50.137 50.638,50.137 51.325,49.45 DD4.88@51.325,49
  Mid-Layer 2 w0.3: v1(50.51,50.175) 53.426,50.175 53.676,49.925 65.636,49.925 69.736,54.025 71.275,54.025 74.325,57.075 v1(89.411,57.074)
  Bottom Layer w0.3: v1(89.411,57.074) DD3.3@92.225,57.075
LED_CH1(2)_I_R: DD3.1 DD4.87 | length 48.8
  Top Layer w0.3: v1(50.325,50.85) 50.775,50.85 51.825,49.8 DD4.87@51.825,49
  Mid-Layer 2 w0.3: v1(50.325,50.85) 50.271,50.85 50.171,50.75 50.125,50.75 49.725,50.35 49.725,49.875 50.175,49.425 65.843,49.425 68.668,52.25 71.425,52.25 73.649,54.474 v1(88.926,54.474)
  Bottom Layer w0.3: v1(88.926,54.474) 89.675,54.474 89.776,54.575 DD3.1@92.225,54.575
LED_CH1(2)_O_B: DD3.6 XP2.31 | length 9.7
  Bottom Layer w0.3: DD3.6@92.225,60.825 92.249,60.849 94.724,60.849 97.025,63.15 97.025,67.085 XP2.31@97.05,67.11
LED_CH1(2)_O_G: DD3.4 XP2.30 | length 19.5
  Bottom Layer w0.3: DD3.4@92.225,58.325 89.275,58.325 88.375,59.225 88.375,61.618 92.257,65.5 94.456,65.5 95.775,66.819 95.775,67.75 94.74,68.785 94.74,69.42 XP2.30@94.51,69.65
LED_CH1(2)_O_R: DD3.2 XP2.29 | length 18.5
  Bottom Layer w0.3: DD3.2@92.225,55.825 89.575,55.825 87.675,57.725 87.675,61.625 92.05,66 93.725,66 94.124,66.399 94.51,66.785 XP2.29@94.51,67.11
LED_CH2(1)_I_B: DD2.13 DD4.86 | length 61.3
  Top Layer w0.3: v1(50.538,51.517) 50.577,51.478 50.854,51.478 52.325,50.007 DD4.86@52.325,49 ; v1(99.95,61.55) 100.7,60.8 DD2.13@103,60.8
  Mid-Layer 2 w0.3: v1(50.538,51.517) 51.247,52.225 53.378,52.225 53.978,52.825 54.475,52.825 55.071,52.229 57.884,52.229 58.125,52.47 58.125,52.474 58.476,52.825 59.124,52.825 59.724,52.225 65.107,52.225 68.907,56.025 70.304,56.025 75.829,61.55 v1(99.95,61.55)
LED_CH2(1)_I_G: DD2.11 DD4.85 | length 59.7
  Top Layer w0.3: v1(51.556,51.625) 52.825,50.356 DD4.85@52.825,49 ; v1(98.962,59.713) 99.8,58.875 100.949,58.875 101.3,58.524 101.3,58.476 101.476,58.3 DD2.11@103,58.3
  Mid-Layer 2 w0.3: v1(51.556,51.625) 65.214,51.625 69.114,55.525 70.511,55.525 76.036,61.05 97.625,61.05 v1(98.962,59.713)
LED_CH2(1)_I_R: DD2.9 DD4.84 | length 58.2
  Top Layer w0.3: v1(53.004,51.025) 53.004,50.971 53.325,50.65 DD4.84@53.325,49 ; v1(97.269,59.056) 97.323,59.056 97.423,58.956 97.444,58.956 99.975,56.425 100.799,56.425 101.15,56.074 101.15,55.976 101.326,55.8 DD2.9@103,55.8
  Mid-Layer 2 w0.3: v1(53.004,51.025) 53.042,51.063 53.615,51.063 53.676,51.125 65.422,51.125 69.322,55.025 70.718,55.025 76.243,60.55 95.925,60.55 97.231,59.244 97.231,59.094 v1(97.269,59.056)
LED_CH2(1)_O_B: DD2.12 XP2.28 | length 16.1
  Top Layer w0.3: XP2.28@91.97,69.65 93.41,68.21 93.41,66.654 94.054,66.01 100.514,59.55 DD2.12@103,59.55
LED_CH2(1)_O_G: DD2.10 XP2.27 | length 16.5
  Top Layer w0.3: XP2.27@91.97,67.11 92.218,67.11 96.275,63.053 96.275,60.9 100.125,57.05 DD2.10@103,57.05
LED_CH2(1)_O_R: DD2.8 XP2.26 | length 23.1
  Top Layer w0.3: XP2.26@89.43,69.65 90.7,68.38 90.7,66.55 91.325,65.925 92.696,65.925 95.775,62.846 95.775,59.075 100.3,54.55 DD2.8@103,54.55
LED_CH2(2)_I_B: DD3.13 DD4.130 | length 72.3
  Top Layer w0.3: v1(46.697,26.404) 46.735,26.442 46.928,26.442 46.985,26.5 DD4.130@49.325,26.5
  Mid-Layer 2 w0.3: v1@46.698,26.404 50.119,29.825 63.291,29.825 78.675,45.209 78.675,47.175 82.65,51.15 95.875,51.15 v1(100.55,55.825)
  Bottom Layer w0.3: v1(100.55,55.825) DD3.13@103.025,55.825
LED_CH2(2)_I_G: DD3.11 DD4.129 | length 73.6
  Top Layer w0.3: v1(46.475,27.087) 46.513,27.049 46.719,27.049 46.768,27 DD4.129@49.325,27
  Mid-Layer 2 w0.3: v1(46.475,27.087) 48.097,28.709 48.097,28.792 49.68,30.375 63.134,30.375 78.175,45.416 78.175,47.382 82.443,51.65 94.075,51.65 v1(100.7,58.275)
  Bottom Layer w0.3: v1(100.7,58.275) 100.754,58.275 100.804,58.325 DD3.11@103.025,58.325
LED_CH2(2)_I_R: DD3.9 DD4.128 | length 75.2
  Top Layer w0.3: v1(46.507,27.968) 46.975,27.5 DD4.128@49.325,27.5
  Mid-Layer 2 w0.3: v1(46.507,27.968) 46.561,27.968 46.661,28.068 46.748,28.068 47.157,28.477 47.157,28.757 49.275,30.875 62.927,30.875 77.675,45.623 77.675,47.589 82.236,52.15 92.25,52.15 100.937,60.837 100.937,61.362 v1(100.975,61.4)
  Bottom Layer w0.3: v1(100.975,61.4) 101.029,61.4 101.404,61.025 102.825,61.025 DD3.9@103.025,60.825
LED_CH2(2)_O_B: DD3.12 XP2.34 | length 17.1
  Bottom Layer w0.3: XP2.34@99.59,69.65 105.575,63.665 105.575,57.95 104.7,57.075 DD3.12@103.025,57.075
LED_CH2(2)_O_G: DD3.10 XP2.33 | length 12.3
  Bottom Layer w0.3: XP2.33@99.59,67.11 99.676,67.024 100.601,67.024 105.05,62.575 105.05,59.751 104.874,59.575 DD3.10@103.025,59.575
LED_CH2(2)_O_R: DD3.8 XP2.32 | length 10.5
  Bottom Layer w0.3: XP2.32@97.05,69.65 98.25,68.45 98.25,66.475 102.026,62.699 102.026,62.275 102.226,62.075 DD3.8@103.025,62.075
LED_DEBUG_I_B: DD1.5 DD4.44 | length 33
  Top Layer w0.3: DD4.44@74.825,47 75.275,47 76.14,47.865 v1(76.185,47.865)
  Mid-Layer 1 w0.3: v1(76.185,47.865) 76.185,47.844 76.414,47.615 88.428,47.615 99.25,36.793 v1(99.25,35.35)
  Bottom Layer w0.3: v1(99.25,35.35) 99.25,35.296 99.3,35.246 DD1.5@99.3,33.175
LED_DEBUG_I_G: DD1.3 DD4.43 | length 36
  Top Layer w0.3: DD4.43@74.825,46.5 75.801,46.5 75.801,46.543 76.244,46.985 v1(76.244,47.04)
  Mid-Layer 1 w0.3: v1(76.244,47.04) 77.105,47.04 77.18,47.115 88.221,47.115 93.925,41.411 93.925,39.826 99.001,34.75 99.499,34.75 100.249,35.5 v1(101.85,35.5)
  Bottom Layer w0.3: DD1.3@101.8,33.175 101.85,33.225 v1(101.85,35.5)
LED_DEBUG_I_R: DD1.1 DD4.7 | length 35.6
  Top Layer w0.3: DD4.7@74.825,28.5 76.65,28.5 v1(77.075,28.075)
  Bottom Layer w0.3: v1(77.075,28.075) 77.075,28.129 77.175,28.229 77.175,28.275 85.3,36.4 102.9,36.4 104.3,35 DD1.1@104.3,33.175
LED_DEBUG_O_B: DD1.6 R74.2 | length 5.4
  Bottom Layer w0.5: DD1.6@98.05,33.175 98.05,31.175 99.495,29.73 99.495,29.025 99.72,28.8 R74.2@99.8,28.8 R74.2@100.025,28.8
LED_DEBUG_O_G: DD1.4 R73.2 | length 9.1
  Top Layer w0.5: v2(101.275,30.075) 101.313,30.113 101.455,30.113 101.491,30.15 105.403,30.15 105.587,29.966 v2(105.641,29.966)
  Bottom Layer w0.5: DD1.4@100.55,33.175 100.55,30.75 101.225,30.075 v2(101.275,30.075) ; R73.2@105.504,28.8 105.549,28.844 105.549,29.819 105.641,29.912 v2(105.641,29.966)
LED_DEBUG_O_R: DD1.2 R72.2 | length 4.7
  Bottom Layer w0.5: DD1.2@103.05,33.175 103.05,29.025 103.275,28.8 R72.2@103.3,28.8 R72.2@103.175,28.925
LED_PWR_I_B: DD1.13 DD4.133 | length 67.8
  Top Layer w0.3: v1(50.025,24.45) 50.025,23.709 50.234,23.5 DD4.133@51.325,23.5
  Mid-Layer 2 w0.3: v1(50.025,24.45) 50.025,27.043 51.307,28.325 63.912,28.325 77.787,42.2 84.825,42.2 85.775,43.15 90.111,43.15 92.586,40.675 101.375,40.675 v1(102.475,41.775)
  Bottom Layer w0.3: v1(102.475,41.775) 103.05,42.35 DD1.13@103.05,43.975
LED_PWR_I_G: DD1.11 DD4.132 | length 67.5
  Top Layer w0.3: v1(47.724,25.4) 47.778,25.4 47.878,25.5 DD4.132@49.325,25.5
  Mid-Layer 2 w0.3: v1(47.724,25.4) 47.724,25.449 51.1,28.825 63.705,28.825 79.68,44.8 84.125,44.8 85.1,45.775 88.193,45.775 92.793,41.175 100.309,41.175 100.512,41.378 100.512,41.637 v1(100.55,41.675)
  Bottom Layer w0.3: v1(100.55,41.675) DD1.11@100.55,43.975
LED_PWR_I_R: DD1.9 DD4.131 | length 67.6
  Top Layer w0.3: v1(47.234,25.9) 47.288,25.9 47.388,26 DD4.131@49.325,26
  Mid-Layer 2 w0.3: v1(47.234,25.9) 47.793,26.459 47.793,26.543 50.575,29.325 63.498,29.325 79.175,45.002 79.175,46.675 80.125,47.625 87.05,47.625 92.9,41.775 v1(98.075,41.775)
  Bottom Layer w0.3: DD1.9@98.05,43.975 98.05,41.8 v1(98.075,41.775)
LED_PWR_O_B: DD1.12 XP2.22 | length 37.4
  Mid-Layer 1 w0.3: XP2.22@84.35,69.65 85.5,68.5 85.5,54.875 93.3,47.075 101.025,47.075 v1(101.825,46.275)
  Bottom Layer w0.3: DD1.12@101.8,43.975 101.825,44 v1(101.825,46.275)
LED_PWR_O_G: DD1.10 XP2.21 | length 32.8
  Mid-Layer 1 w0.3: XP2.21@84.35,67.11 84.35,56.732 84.35,55.318 93.093,46.575 99.049,46.575 v1(99.325,46.3)
  Bottom Layer w0.3: DD1.10@99.3,43.975 99.325,44 v1(99.325,46.3)
LED_PWR_O_R: DD1.8 XP2.20 | length 34.1
  Mid-Layer 1 w0.3: XP2.20@81.81,69.65 82.04,69.42 82.04,68.935 83.1,67.875 83.1,55.861 92.986,45.975 v1(96.725,45.975)
  Bottom Layer w0.3: v1(96.725,45.975) 96.725,45.921 96.8,45.846 DD1.8@96.8,43.975
LEV_CH1(1): C14.2 R29.2 XP4.3 XP4.4 | length 86.2
  Mid-Layer 2 w0.5: v2(51.1,19.009) 52.009,18.1 52.1,18.1 53.025,17.175 100.24,17.175 111.44,28.375 116.65,28.375 117.675,29.4 XP4.3@117.675,30.711
  Bottom Layer w0.5: R29.2@49.725,18.298 49.889,18.462 50.657,18.462 51.062,18.867 51.062,18.971 v2(51.1,19.009) ; C14.2@110.575,30.25 111.18,30.25 111.53,30.6 111.53,31.205 112.306,31.981 117.675,31.981
  Bottom Layer w1: XP4.3@117.675,30.711 117.675,31.981 XP4.4@117.675,33.251
LEV_CH1(2): C18.2 R31.2 XP6.3 XP6.4 | length 91.8
  Mid-Layer 2 w0.5: v2(58.875,18.675) 88.175,18.675 90.85,21.35 99.357,21.35 100.707,22.7 103.75,22.7 111.95,30.9 111.95,40.9 114.55,43.5 116.675,43.5 117.675,44.5 XP6.3@117.675,47.024
  Bottom Layer w0.5: R31.2@56.675,16.975 56.675,17.032 56.9,17.257 57.932,17.257 58.837,18.162 58.837,18.637 v2(58.875,18.675) ; C18.2@110.575,46.625 111.18,46.625 111.53,46.975 111.53,47.58 112.244,48.294 117.675,48.294
  Bottom Layer w1: XP6.3@117.675,47.024 117.675,48.294 XP6.4@117.675,49.564
LEV_CH2(1): C16.2 R30.2 XP5.3 XP5.4 | length 91.8
  Mid-Layer 2 w0.5: v2(50.627,20.577) 50.664,20.577 51.57,19.67 51.63,19.67 53.425,17.875 99.95,17.875 112.75,30.675 112.75,34.725 114.475,36.45 116.6,36.45 117.7,37.55 117.7,38.843 XP5.3@117.675,38.868
  Bottom Layer w0.5: R30.2@49.525,20.625 49.549,20.601 50.603,20.601 v2(50.627,20.577) ; C16.2@110.575,38.6 111.18,38.6 111.53,38.95 111.53,39.555 112.112,40.137 117.675,40.137
  Bottom Layer w1: XP5.3@117.675,38.868 117.675,40.137 XP5.4@117.675,41.407
LEV_CH2(2): C20.2 R32.2 XP7.3 XP7.4 | length 100.1
  Mid-Layer 2 w0.5: v2(58.05,20.025) 58.075,20.05 60.025,20.05 60.7,19.375 87.885,19.375 90.56,22.05 99.067,22.05 100.417,23.4 103.45,23.4 111.225,31.175 111.225,49.825 113.925,52.525 116.85,52.525 117.675,53.35 XP7.3@117.675,55.18
  Bottom Layer w0.5: R32.2@56.7,19.25 56.7,19.475 56.925,19.7 57.671,19.7 57.996,20.025 v2(58.05,20.025) ; C20.2@109.925,54.375 110.275,54.725 C20.2@110.6,54.725 111.143,54.725 111.493,55.075 111.493,55.743 112.225,56.475 117.675,56.475
  Bottom Layer w1: XP7.3@117.675,55.18 117.675,56.475 XP7.4@117.675,57.72
LEV_SYNC: C22.2 R33.2 XP8.3 XP8.4 | length 15.1
  Top Layer w0.5: R33.2@116.85,18.375 116.85,20.15 117.675,20.975 XP8.3@117.675,22.555
  Bottom Layer w0.5: C22.2@110.65,22.15 111.255,22.15 111.605,22.5 111.605,23.105 112.325,23.825 117.675,23.825
  Bottom Layer w1: XP8.3@117.675,22.555 117.675,23.825 XP8.4@117.675,25.095
NetC11_2: C11.2 C23.2 DA1.1 L1.2 R3.2 | length 16.6
  Top Layer w1: v3(15.888,24.537) 15.888,24.532 16.921,23.5 17.271,23.5 L1.2@17.296,23.475 18.61,23.475 19.875,23.475 R3.2@19.9,23.5 ; 18.61,23.5 18.61,26.46 v3(20.274,28.124) ; v3@20.299,28.099 21.25,29.05 C11.2@23.625,29.05
  Bottom Layer w1: C23.2@14.575,24.574 15.824,24.574 15.861,24.537 v3(15.888,24.537) ; v3(20.274,28.124) 20.287,28.137 20.287,29.85 DA1.1@20.3,29.85
NetC54_2: C54.2 R15.2 R21.1 VD6.KA2 | length 32.9
  Top Layer w0.5: R15.2@0.225,43.25 0.3,43.175 C54.2@2,43.175 3.7,43.175 v2(4.3,43.775)
  Bottom Layer w0.5: v2(4.3,43.775) 4.154,43.921 VD6.KA2@2.325,43.921 2.022,44.224 2.022,45.503 0.45,47.075 0.45,51.375 2.825,53.75 15.9,53.75 16.175,54.025 R21.1@17.675,54.025
NetC55_2: C55.2 R17.2 R19.1 VD7.KA2 | length 23.7
  Top Layer w0.5: R17.2@0.25,49.2 0.3,49.25 3.15,49.25 3.787,48.613 3.787,48.538 v2(3.825,48.5)
  Bottom Layer w0.5: v2(3.825,48.5) 2.325,48.5 VD7.KA2@2.3,48.525 2.3,51.425 3.925,53.05 13.6,53.05 15.25,51.4 15.25,50.5 R19.1@15.325,50.425
NetC62_1: C62.1 R61.2 R76.1 VD9.KA1 | length 12.6
  Top Layer w0.5: R61.2@9.225,5 9.25,4.975 12.09,4.975 13.8,4.975 14.1,4.675 C62.1@14.1,4.55 ; 12.09,5.05 12.09,5.171 v2(13.125,6.206)
  Bottom Layer w0.5: VD9.KA1@12.125,4.793 12.125,5.206 v2(13.125,6.206)
  Bottom Layer w1: R76.1@9.225,4.975 9.261,4.939 11.661,4.939 VD9.KA1@12.125,4.475 ; VD9.KA1@12.3,4.3 12.375,4.3 12.925,3.75 VD9.KA1@12.925,3.675